# Altium PCB segment1.PcbDoc
Units mm, origin at the board's own origin, x right, y up, seen from the top; angles counter-clockwise.
Board outline 152.4 x 101.6 mm, 2 copper layers (Top Layer, Bottom Layer); 77 components, 74 nets, 176 pads, 0 vias.
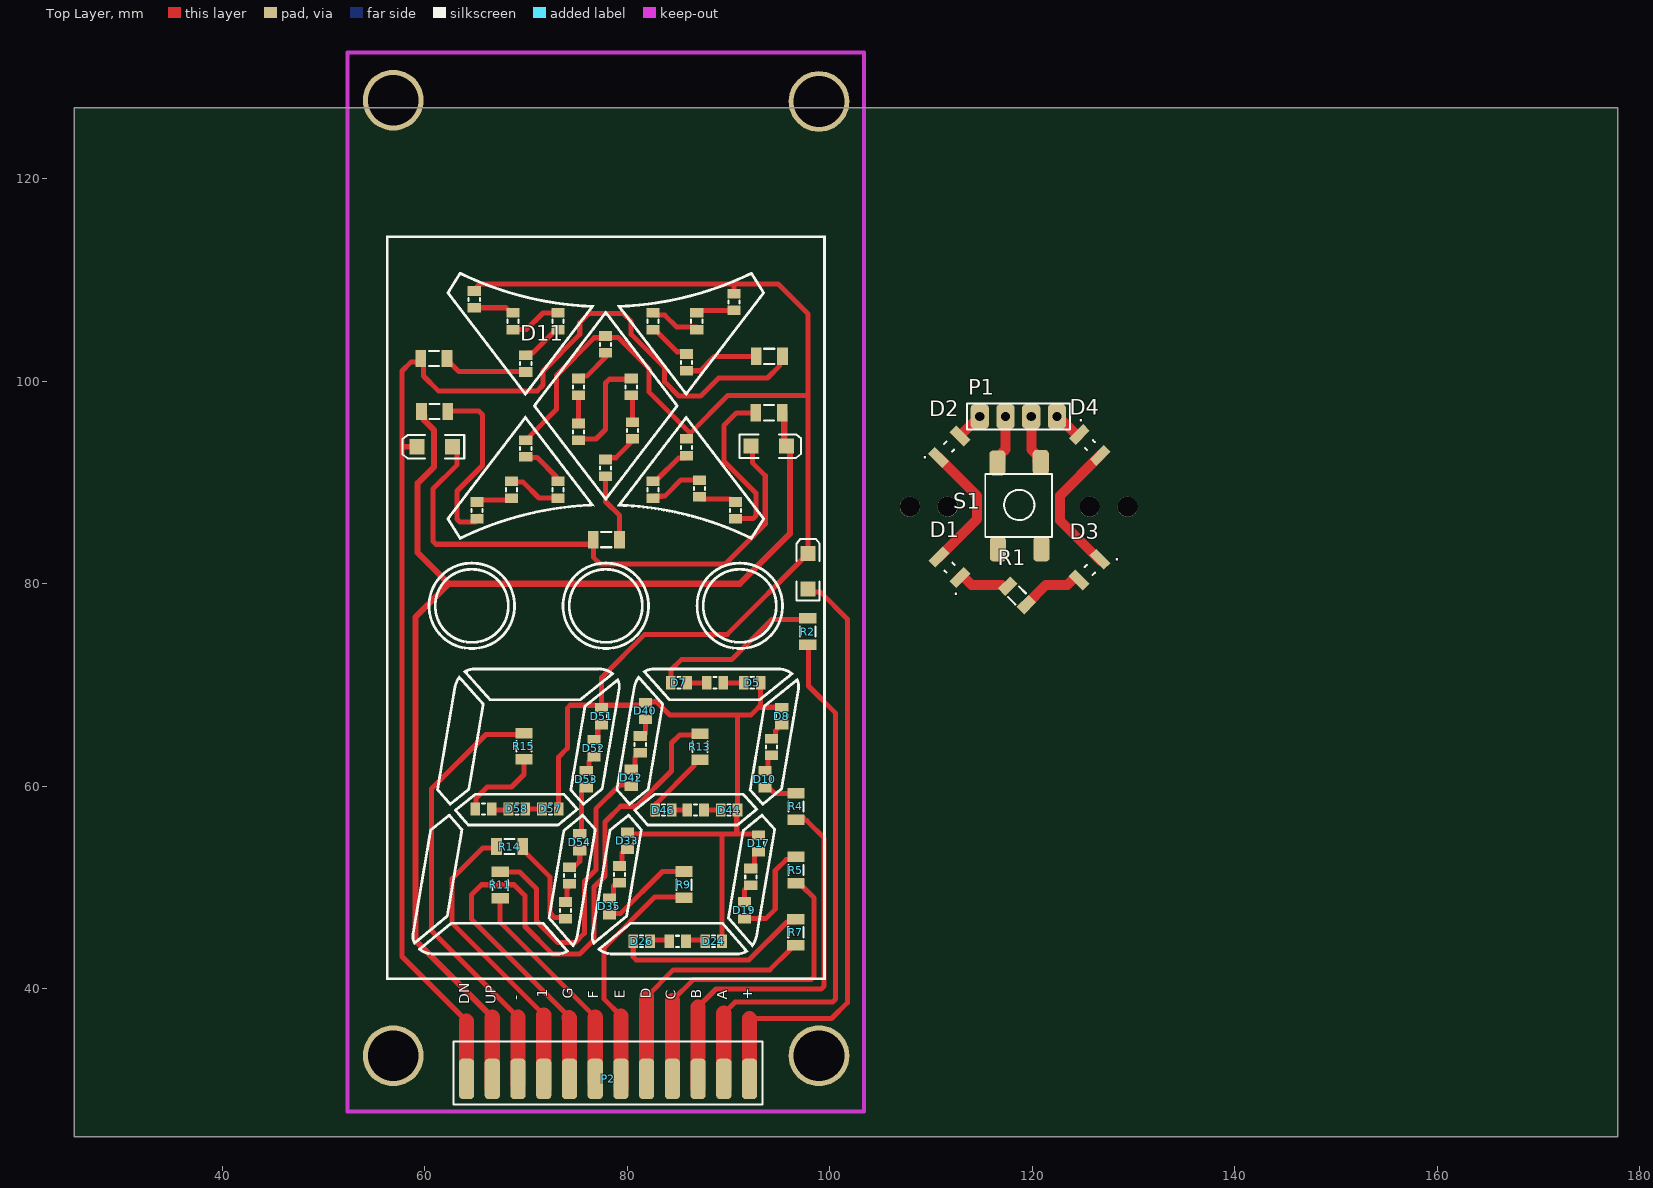
[diagram p0: Top Layer view]
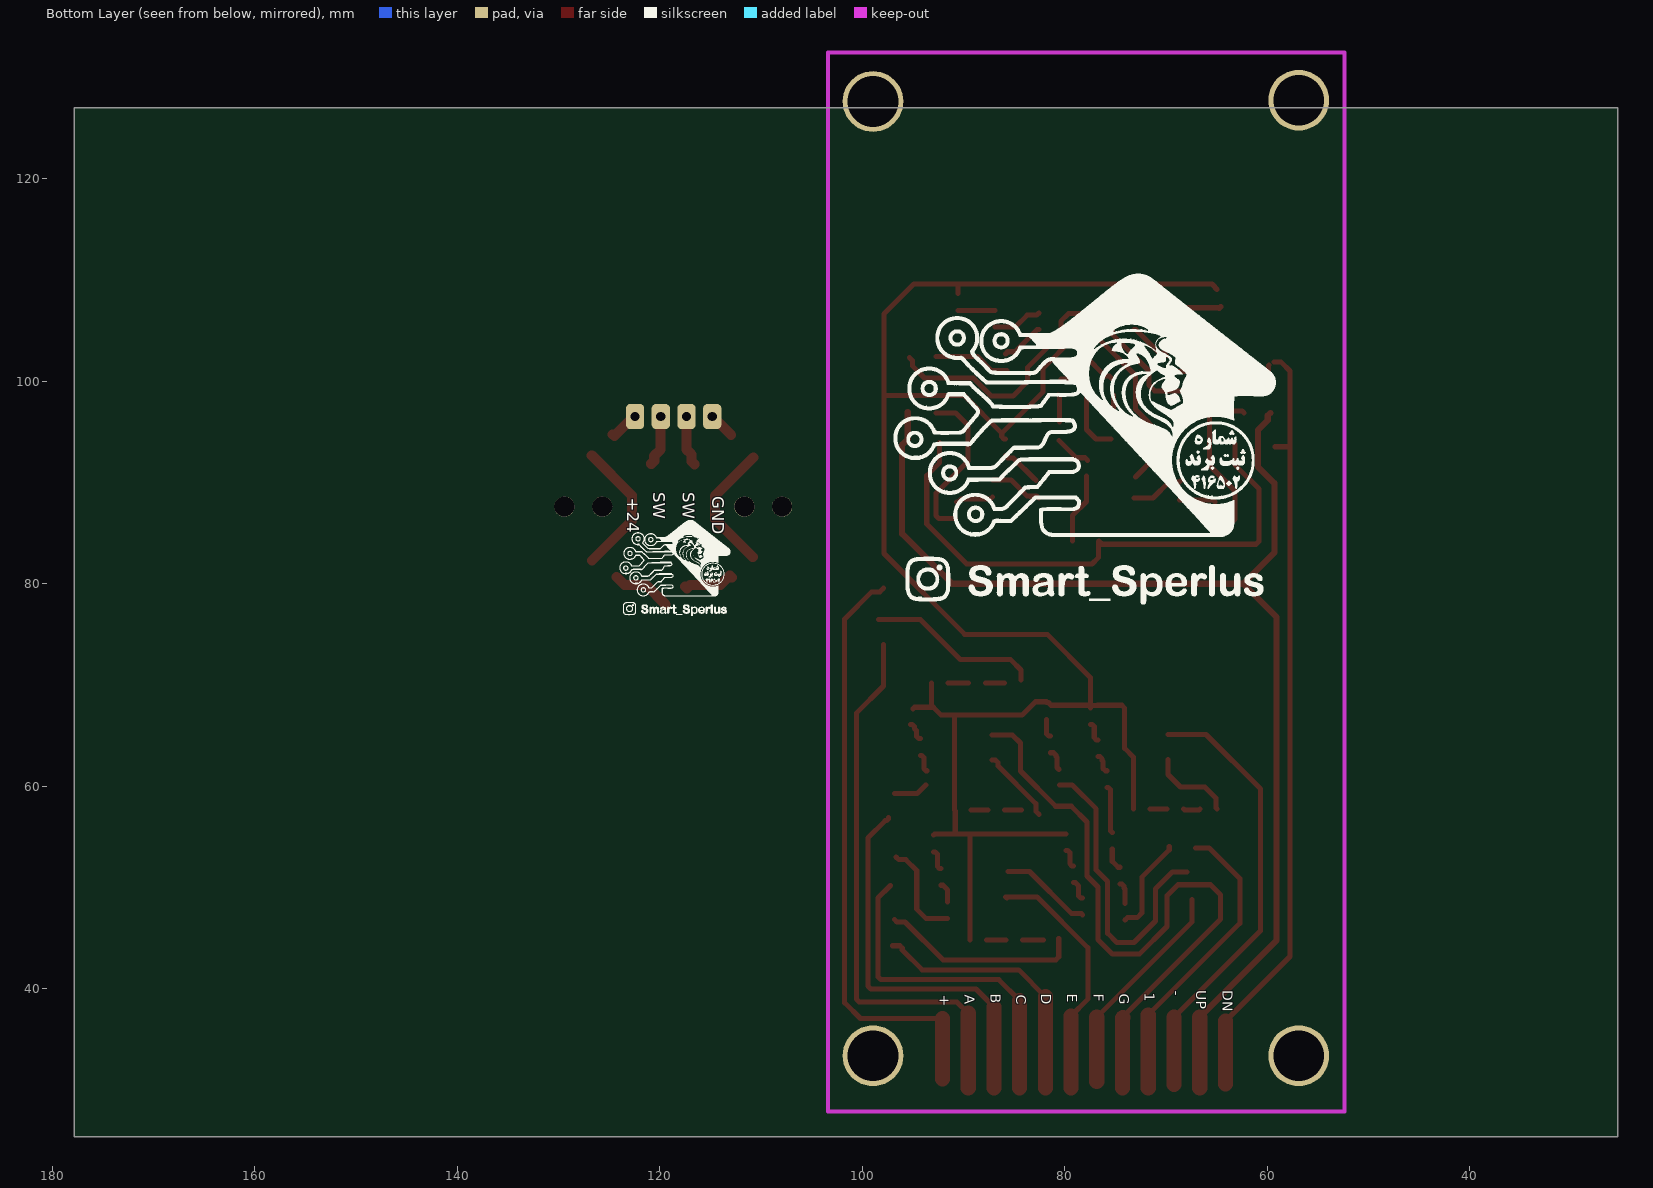
[diagram p1: Bottom Layer view, seen from below]
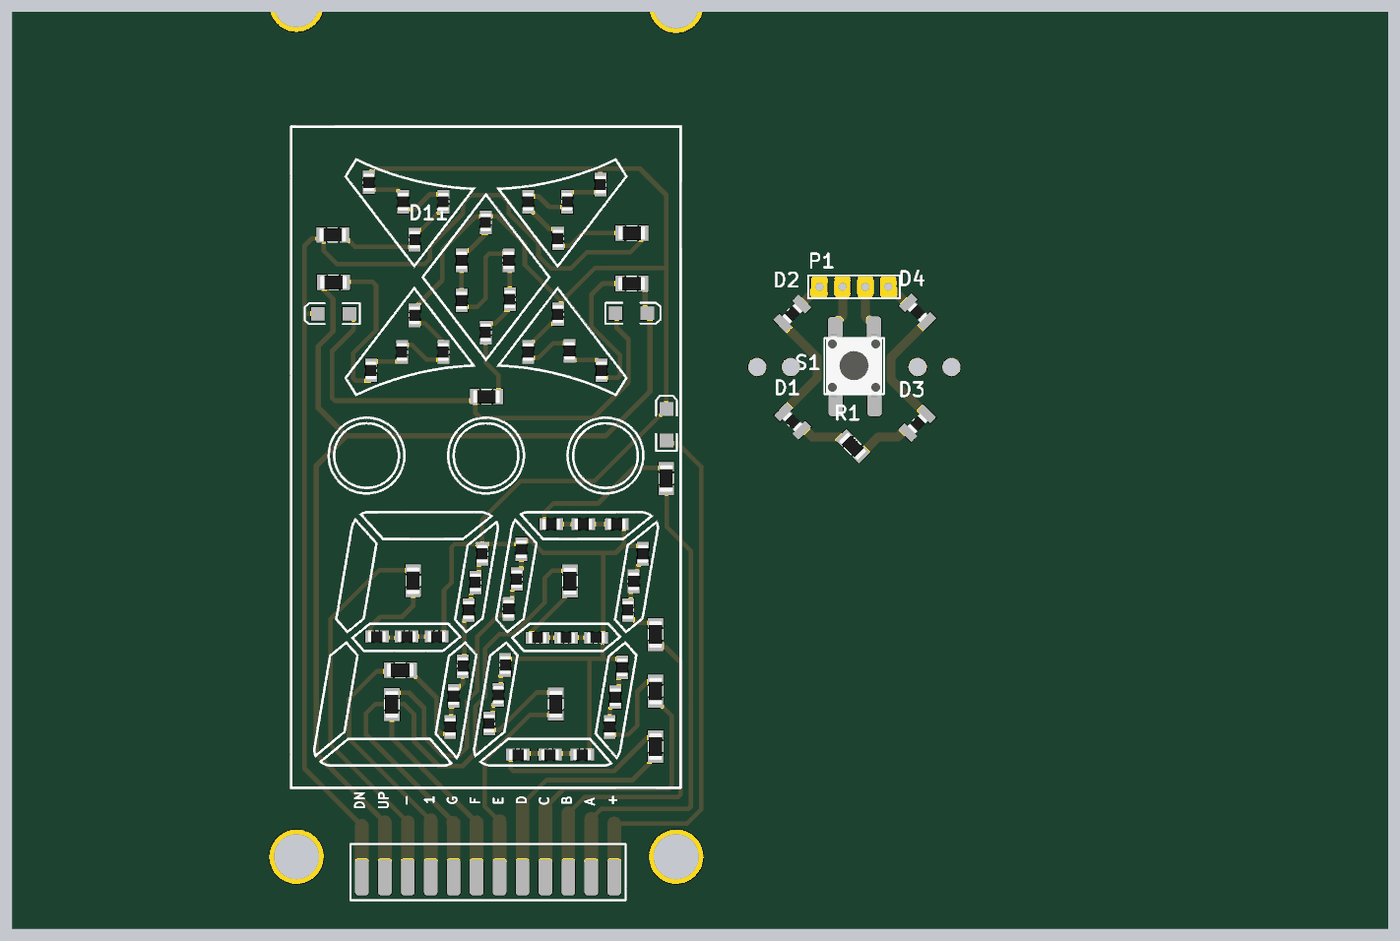
[diagram p2: 3D render of the assembled board from above, using the file's embedded part models]

## Layer stack, top to bottom
Top Solder: solder mask 0.0102, Solder Resist, Dk 3.5
Top Layer: signal copper 0.0356
Dielectric 1: dielectric 0.32, FR-4, Dk 4.8
Bottom Layer: signal copper 0.0356
Bottom Solder: solder mask 0.0102, Solder Resist, Dk 3.5

## Board outline
25.4,25.4 177.8,25.4 177.8,127 25.4,127

## Design rules (kind name [scope] priority, off if disabled: settings)
Clearance Clearance_1 [All] p1: gap=0.4 ignorepadtopadclearanceinfootprint=FALSE
Clearance [All] p2: gap=0.254 ignorepadtopadclearanceinfootprint=FALSE except(0: Arc-Hole Track-Hole SMDPad-Hole THPad-Hole Via-Hole Fill-Hole Poly-Hole Region-Hole Text-Hole)
DiffPairsRouting [All] p1: maxlimit=0.8 minlimit=0.381 mostfreqgap=0.8 toplayer_minwidth=0.381 toplayer_maxwidth=0.381 toplayer_prefwidth=0.381 bottomlayer_minwidth=0.381 bottomlayer_maxwidth=0.381 bottomlayer_prefwidth=0.381 maxuncoupledlength=12.7
PolygonConnect [All] p1: connectstyle=Relief reliefconductorwidth=0.254 reliefentries=4 polygonreliefangle="90 Angle" airgapwidth=0.254
RoomDefinition segment1 [InComponentClass('segment1')] p1: confinementstyle=ConfineIn formatcopy=TRUE lockcomponents=FALSE outline 178.943,26.924 211.328,26.924 211.328,32.766 178.943,32.766
RoutingVias [All] p1: holewidth=0.711 width=1.27 viastyle="Through Hole" minholewidth=0.711 minwidth=1.27 maxholewidth=0.711 maxwidth=1.27
SolderMaskExpansion [All] p1: expansion=0.102 istentingtop=FALSE
Width [All] p1: maxlimit=3 minlimit=0.5 preferedwidth=1
29 further rules are at their usual default settings.

## Classes and differential pairs
component class segment1: D1 D2 D3 D4 D5 D8 D10 D11 D17 D24 D26 D33 D35 D40 D51 D52 D53 D54 D57 D58 P1 P2 R1 R2 R4 R5 R7 R9 R11 R13 R14 R15 S1

## Components (designator, comment, footprint, x,y, rotation, side; value= is the part's Value field where it differs from the comment)
D1 "MODEL" "RES 0805 (2012X06L)"#1 111.828,81.588 r315 top
D2 "MODEL" "RES 0805 (2012X06L)"#2 111.778,93.538 r225 top
D3 "MODEL" "RES 0805 (2012X06L)"#3 125.678,81.388 r45 top
D4 "MODEL" "RES 0805 (2012X06L)"#4 125.678,93.713 r135 top
D5 "MODEL" "RES 0805 (2012X06L)"#5 92.329,70.231 r180 top
D6 "MODEL" "RES 0805 (2012X06L)"#5 88.646,70.231 r180 top
D7 "MODEL" "RES 0805 (2012X06L)"#5 85.09,70.231 r180 top
D8 "MODEL" "RES 0805 (2012X06L)"#5 95.25,66.929 r270 top
D9 "MODEL" "RES 0805 (2012X06L)"#5 94.234,63.881 r270 top
D10 "MODEL" "RES 0805 (2012X06L)"#5 93.599,60.706 r270 top
D11 "MODEL" "RES 0805 (2012X06L)"#5 69.977,101.727 r270 top
D12 "MODEL" "RES 0805 (2012X06L)"#5 73.152,105.918 r270 top
D13 "MODEL" "RES 0805 (2012X06L)"#5 68.707,105.918 r270 top
D14 "MODEL" "RES 0805 (2012X06L)"#5 64.897,108.077 r270 top
D15 "D Tunnel1" 3.2X1.6X1.1 97.854,81.24 r90 top
D16 "D Tunnel1" 3.2X1.6X1.1 61.004,93.54 r180 top
D17 "MODEL" "RES 0805 (2012X06L)"#5 92.964,54.356 r270 top
D18 "MODEL" "RES 0805 (2012X06L)"#5 92.202,51.054 r270 top
D19 "MODEL" "RES 0805 (2012X06L)"#5 91.567,47.752 r270 top
D20 "MODEL" "RES 0805 (2012X06L)"#5 85.852,101.854 r270 top
D21 "MODEL" "RES 0805 (2012X06L)"#5 82.55,105.918 r270 top
D22 "MODEL" "RES 0805 (2012X06L)"#5 86.868,105.918 r270 top
D23 "MODEL" "RES 0805 (2012X06L)"#5 90.551,107.823 r270 top
D24 "MODEL" "RES 0805 (2012X06L)"#5 88.519,44.704 r180 top
D25 "MODEL" "RES 0805 (2012X06L)"#5 84.963,44.704 r180 top
D26 "MODEL" "RES 0805 (2012X06L)"#5 81.407,44.704 r180 top
D27 "MODEL" "RES 0805 (2012X06L)"#5 77.851,91.44 r270 top
D28 "MODEL" "RES 0805 (2012X06L)"#5 80.518,95.123 r270 top
D29 "MODEL" "RES 0805 (2012X06L)"#5 80.391,99.441 r270 top
D30 "MODEL" "RES 0805 (2012X06L)"#5 75.184,94.996 r270 top
D31 "MODEL" "RES 0805 (2012X06L)"#5 75.184,99.441 r270 top
D32 "MODEL" "RES 0805 (2012X06L)"#5 77.851,103.632 r270 top
D33 "MODEL" "RES 0805 (2012X06L)"#5 80.01,54.61 r270 top
D34 "MODEL" "RES 0805 (2012X06L)"#5 79.248,51.308 r270 top
D35 "MODEL" "RES 0805 (2012X06L)"#5 78.232,48.133 r270 top
D36 "MODEL" "RES 0805 (2012X06L)"#5 65.151,87.249 r270 top
D37 "MODEL" "RES 0805 (2012X06L)"#5 68.58,89.281 r270 top
D38 "MODEL" "RES 0805 (2012X06L)"#5 73.152,89.281 r270 top
D39 "MODEL" "RES 0805 (2012X06L)"#5 69.977,93.345 r270 top
D40 "MODEL" "RES 0805 (2012X06L)"#5 81.788,67.437 r270 top
D41 "MODEL" "RES 0805 (2012X06L)"#5 81.28,64.135 r270 top
D42 "MODEL" "RES 0805 (2012X06L)"#5 80.391,60.833 r270 top
D43 "D Tunnel1" 3.2X1.6X1.1 93.98,93.599 r0 top
D44 "MODEL" "RES 0805 (2012X06L)"#5 90.043,57.658 r180 top
D45 "MODEL" "RES 0805 (2012X06L)"#5 86.741,57.658 r180 top
D46 "MODEL" "RES 0805 (2012X06L)"#5 83.566,57.658 r180 top
D47 "MODEL" "RES 0805 (2012X06L)"#5 90.678,87.249 r270 top
D48 "MODEL" "RES 0805 (2012X06L)"#5 87.122,89.408 r270 top
D49 "MODEL" "RES 0805 (2012X06L)"#5 82.55,89.281 r270 top
D50 "MODEL" "RES 0805 (2012X06L)"#5 85.852,93.472 r270 top
D51 "MODEL" "RES 0805 (2012X06L)"#5 77.47,66.929 r270 top
D52 "MODEL" "RES 0805 (2012X06L)"#5 76.708,63.754 r270 top
D53 "MODEL" "RES 0805 (2012X06L)"#5 75.946,60.706 r270 top
D54 "MODEL" "RES 0805 (2012X06L)"#5 75.311,54.483 r270 top
D55 "MODEL" "RES 0805 (2012X06L)"#5 74.295,51.181 r270 top
D56 "MODEL" "RES 0805 (2012X06L)"#5 73.914,47.752 r270 top
D57 "MODEL" "RES 0805 (2012X06L)"#5 72.39,57.785 r180 top
D58 "MODEL" "RES 0805 (2012X06L)"#5 69.088,57.785 r180 top
D59 "MODEL" "RES 0805 (2012X06L)"#5 65.786,57.785 r180 top
P1 "Header 4" HDR1X4 114.808,96.52 r0 top
P2 "Header 12" HDR1X12 92.075,31.115 r180 top
R1 "10K" "RES 1206 (3216X08L)" 118.491,78.867 r135 top
R2 "10K" "RES 1206 (3216X08L)" 97.829,75.29 r90 top
R3 "10K" "RES 1206 (3216X08L)" 60.904,102.265 r0 top
R4 "10K" "RES 1206 (3216X08L)" 96.654,58.015 r90 top
R5 "10K" "RES 1206 (3216X08L)" 96.654,51.74 r90 top
R6 "10K" "RES 1206 (3216X08L)" 94.029,102.465 r180 top
R7 "10K" "RES 1206 (3216X08L)" 96.647,45.593 r90 top
R8 "10K" "RES 1206 (3216X08L)" 77.929,84.365 r0 top
R9 "10K" "RES 1206 (3216X08L)" 85.598,50.292 r90 top
R10 "10K" "RES 1206 (3216X08L)" 60.979,97.015 r0 top
R11 "10K" "RES 1206 (3216X08L)" 67.454,50.264 r90 top
R12 "10K" "RES 1206 (3216X08L)" 94.004,96.89 r180 top
R13 "10K" "RES 1206 (3216X08L)" 87.179,63.915 r270 top
R14 "10K" "RES 1206 (3216X08L)" 68.379,54.065 r0 top
R15 "10K" "RES 1206 (3216X08L)" 69.804,63.965 r270 top
S1 "PUSH BUTTON DOUBLE" "PUSH BUTTON" 118.653,87.763 r90 top

## Footprints (in the part's own frame and the unit in brackets; to place one, negate y for a bottom-side part, rotate by r counter-clockwise, add the part's x,y. Pads: shape width x height; smd on the part's side, far side on the other; paste and mask are expansions set on the pad)
3.2X1.6X1.1 [mm] "SMT LED; 2 Flat Leads"
  rect 1.5x1.5 smd: 1(-1.75,0) 2(1.75,0)
  silkscreen extent -2.9,-1.15 3.2,1.15
HDR1X4 [mm] "Connector; Header; 4 Position"
  rrect50% 1.8x2.5 hole 0.9: 1(0,0) 2(2.54,0) 3(5.08,0) 4(7.62,0)
  silkscreen extent -1.27,-1.27 8.89,1.27
HDR1X12 [mm] "Connector; Header; 12 Position"
  rrect50% 1.5x4 smd: 1(0,0) 2(2.54,0) 3(5.08,0) 4(7.62,0) 5(10.16,0) 6(12.7,0) 7(15.24,0) 8(17.78,0) 9(20.32,0) 10(22.86,0) 11(25.4,0) 12(27.94,0)
  silkscreen extent -1.27,-3.68 29.21,2.54
"PUSH BUTTON" [mm]
  rrect50% 2.5x1.6 smd: 1(-4.325,2.05) 2(4.175,2.1) 3(-4.325,-2.25) 4(4.225,-2.175)
  silkscreen extent -3.13,-3.3 3.08,3.3, body extent -3.93,-3.08 3.99,3.12, height 5.21
"RES 0805 (2012X06L)"#1 [mm] "Chip Resistor, 2-Leads, Body 2.0x1.3mm, IPC High Density _ (0.100 W)"
  rect 0.95x2 smd: 1(-1.475,0.025) 2(1.4,0.05)
  silkscreen extent -0.16,-0.55 0.14,0.55, body extent -1.03,-0.63 1,0.64, height 0.6
"RES 0805 (2012X06L)"#2 [mm] "Chip Resistor, 2-Leads, Body 2.0x1.3mm, IPC High Density _ (0.100 W)"
  rect 0.95x2 smd: 1(-1.5,0) 2(1.475,0)
  silkscreen extent -0.16,-0.55 0.14,0.55, body extent -1.03,-0.63 1,0.64, height 0.6
"RES 0805 (2012X06L)"#3 [mm] "Chip Resistor, 2-Leads, Body 2.0x1.3mm, IPC High Density _ (0.100 W)"
  rect 0.95x2 smd: 1(-1.475,0.05) 2(1.45,0.025)
  silkscreen extent -0.16,-0.55 0.14,0.55, body extent -1.03,-0.63 1,0.64, height 0.6
"RES 0805 (2012X06L)"#4 [mm] "Chip Resistor, 2-Leads, Body 2.0x1.3mm, IPC High Density _ (0.100 W)"
  rect 0.95x2 smd: 1(-1.45,0) 2(1.475,0)
  silkscreen extent -0.16,-0.55 0.14,0.55, body extent -1.03,-0.63 1,0.64, height 0.6
"RES 0805 (2012X06L)"#5 [mm] "Chip Resistor, 2-Leads, Body 2.0x1.3mm, IPC High Density _ (0.100 W)"
  rect 0.95x1.3 smd: 1(-0.838,0) 2(0.812,0)
  silkscreen extent -0.16,-0.55 0.14,0.55, body extent -1.03,-0.63 1,0.64, height 0.6
"RES 1206 (3216X08L)" [mm] "Chip Resistor, 2-Leads, Body 3.2x1.6mm, IPC High Density _ (0.125 W)"
  rect 1.05x1.7 smd: 1(-1.295,0) 2(1.301,0)
  silkscreen extent -0.5,-0.75 0.5,0.75, body extent -1.52,-0.76 1.53,0.76, height 0.6

## Part data
D1 D2 D3 D4 D5 D6 D7 D8 D9 D10 D11 D12 D13 D14 D17 D18 D19 D20 D21 D22 D23 D24 D25 D26 D27 D28 D29 D30 D31 D32 D33 D34 D35 D36 D37 D38 D39 D40 D41 D42 D44 D45 D46 D47 D48 D49 D50 D51 D52 D53 D54 D55 D56 D57 D58 D59: library part "LED 5mm", "Typical LED", COLOR=RED
D15 D16 D43: "Tunnel Diode - RLC Model", LatestRevisionDate=17-Jul-2002, LatestRevisionNote="Re-released for DXP Platform.", PackageDescription="SM LED; 2 Flat Leads", PackageReference=3.2X1.6X1.1, PackageVersion=Feb-2002, Published=8-Jun-2000, Publisher="Altium Limited"
P1: "Header, 4-Pin", LatestRevisionDate=17-Jul-2002, LatestRevisionNote="Re-released for DXP Platform.", Publisher="Altium Limited"
P2: "Header, 12-Pin", LatestRevisionDate=17-Jul-2002, LatestRevisionNote="Re-released for DXP Platform.", Publisher="Altium Limited"
R1 R2 R3 R4 R5 R6 R7 R8 R9 R10 R11 R12 R13 R14 R15: library part Resistor, "Resistor", Power="1/4 W", Tolerance=5%
S1: "Switch"

## Free pads (board coordinates)
  round 6 hole 5: 1(56.896,127.762) 2(98.933,127.635) 3(98.933,33.401) 4(56.896,33.401)
  round 2 hole 2: 5(111.633,87.63) 6(107.913,87.63) 7(125.674,87.63) 8(129.413,87.63)

## Nets (pads, with @x,y where several pads share a name; then routed paths per layer and width w, separated by ;. In a path a pad name is that pad's centre, name@x,y a point inside that pad or via, vN(x,y) a via of type N, cw(c..) or ccw(c..) an arc to the next point about the centre after c; other vN are vias at no path point)
1: P2.9 R14.1 | length 30
  Top Layer w0.5: R14.1@67.084,53.938 65.754,53.938 62.712,50.896 62.712,46.482 71.755,37.439
  Top Layer w1.5: P2.9@71.755,30.226 71.755,37.439
+: D15.1 P2.1 | length 59.3
  Top Layer w0.5: 92.075,37.084 100.176,37.084 101.727,38.635 101.727,76.54 99.06,79.207 98.26,79.207 D15.1@97.879,79.588
  Top Layer w1.5: P2.1 92.075,37.084
-: P2.10 R15.1 | length 44.1
  Top Layer w0.5: 69.215,37.211 60.679,45.747 60.679,59.763 66.05,65.133 R15.1@69.804,65.133
  Top Layer w1.5: P2.10@69.215,30.569 69.215,37.211
A: P2.2 R2.1 | length 55.1
  Top Layer w0.5: 89.535,37.592 90.662,38.719 100.291,38.719 100.584,39.012 100.584,67.233 97.904,69.913 R2.1@97.904,73.994
  Top Layer w1.5: P2.2@89.535,30.226 89.535,37.592
B: P2.3 R4.1 | length 38.8
  Top Layer w0.5: 86.995,38.227 88.756,39.988 99.148,39.988 99.441,40.28 99.441,54.901 97.725,56.617 97.604,56.617 97.421,56.8 R4.1@97.421,56.921
  Top Layer w1.5: P2.3@86.995,30.226 86.995,38.227
C: P2.4 R5.1 | length 33.1
  Top Layer w0.5: 84.455,38.862 86.506,40.913 98.136,40.913 98.429,41.205 98.429,48.999 97.26,50.169 97.254,50.169 97.216,50.207 R5.1@97.216,50.213
  Top Layer w1.5: P2.4@84.455,30.226 84.455,38.862
D: P2.5 R7.1 | length 26.3
  Top Layer w0.5: 81.915,39.243 84.556,41.884 94.081,41.884 96.047,43.85 96.047,44.023 96.287,44.263 R7.1@96.999,44.263
  Top Layer w1.5: P2.5@81.915,30.226 81.915,39.243
DN: D16.2 P2.12 R3.1 R6.1 | length 125.1
  Top Layer w0.5: D16.2 57.754,93.54 ; R3.1@59.356,101.885 58.627,101.885 57.754,101.013 57.754,93.54 ; R3.1@59.812,101.61 59.884,101.538 59.884,100.517 61.341,99.06 71.12,99.06 71.689,99.629 71.689,101.026 75.311,104.648 75.311,105.791 76.2,106.68 79.629,106.68 80.391,105.918 80.391,104.648 83.693,101.346 83.693,99.949 85.09,98.552 87.249,98.552 89.027,100.33 93.853,100.33 95.05,101.527 95.05,102.063 R6.1@95.325,102.338 ; 64.135,36.83 57.754,43.211 57.754,93.54
  Top Layer w1.5: P2.12@64.135,30.607 P2.12 64.135,36.83
E: P2.6 R9.1 | length 24.9
  Top Layer w0.5: 79.375,37.338 77.724,38.989 77.724,44.069 82.75,49.095 85.832,49.095 R9.1@85.704,48.967
  Top Layer w1.5: P2.6@79.375,30.226 79.375,37.338
F: P2.7 R11.1 | length 21.9
  Top Layer w0.5: R11.1@67.454,48.842 67.454,46.592 76.835,37.211
  Top Layer w1.5: P2.7@76.835,30.861 76.835,37.211
G: P2.8 R13.1 | length 67.4
  Top Layer w0.5: 74.258,37.174 74.258,37.248 64.604,46.902 64.604,49.288 65.609,50.292 68.825,50.292 69.904,49.213 69.904,46.174 72.644,43.434 75.277,43.434 76.708,44.865 76.708,50.066 77.8,51.159 77.8,56.484 79.356,58.039 80.899,58.039 84.379,61.519 84.379,64.288 85.175,65.083 R13.1@87.179,65.083
  Top Layer w1.5: 74.258,37.174 74.295,37.136 P2.8@74.295,30.226
NetD1_1: D1.1 D2.2 | length 13
  Top Layer w1: D2.2 114.553,88.677 114.553,86.399 D1.1
NetD1_2: D1.2 R1.2 | length 5.3
  Top Layer w1: D1.2 112.889,80.633 113.073,80.817 114.007,79.883 116.98,79.883 117.306,79.557 R1.2@117.498,79.748
NetD2_1: D2.1 P1.1 | length 3
  Top Layer w1: D2.1@112.943,94.702 114.423,96.183 114.423,96.511 P1.1@114.823,96.911
NetD3_1: D3.1 R1.1 | length 6
  Top Layer w1: R1.1 121.339,79.883 123.446,79.883 D3.1@124.254,80.691
NetD3_2: D3.2 D4.1 | length 13.7
  Top Layer w1: D3.2@126.686,82.304 122.728,86.261 122.728,88.712 D4.1
NetD4_2: D4.2 P1.4 | length 3.4
  Top Layer w1: P1.4@122.443,96.911 122.843,96.511 122.843,96.232 124.46,94.615 124.6,94.756 D4.2
NetD5_2: D5.2 D6.1 | length 2
  Top Layer w0.5: D6.1 D5.2
NetD6_2: D6.2 D7.1 | length 1.9
  Top Layer w0.5: D7.1 D6.2
NetD7_2: D7.2 R2.2 | length 17.1
  Top Layer w0.5: D7.2@84.328,70.485 84.328,71.501 85.344,72.517 90.297,72.517 94.243,76.463 R2.2@98.375,76.463
NetD8_2: D8.2 D9.1 | length 2
  Top Layer w0.5: D9.1 94.409,64.719 94.634,64.944 94.634,65.501 94.85,65.717 94.85,65.892 95.075,66.117 D8.2
NetD9_2: D9.2 D10.1 | length 1.9
  Top Layer w0.5: D10.1 93.691,61.544 93.916,61.769 93.916,62.844 94.142,63.069 D9.2
NetD10_2: D10.2 R4.2 | length 3.4
  Top Layer w0.5: D10.2@93.726,60.148 93.951,59.923 94.587,59.288 R4.2@96.804,59.288
NetD11_1: D11.1 D12.2 | length 4.2
  Top Layer w0.5: D11.1 70.202,102.79 70.661,102.79 72.977,105.106 D12.2
NetD11_2: D11.2 R3.2 | length 8.2
  Top Layer w0.5: R3.2@62.205,102.126 63.366,100.965 D11.2@69.887,100.965
NetD12_1: D12.1 D13.2 | length 5.1
  Top Layer w0.5: D13.2 70.027,105.106 71.677,106.756 D12.1
NetD13_1: D13.1 D14.2 | length 4.2
  Top Layer w0.5: D14.2@64.597,107.363 D14.2@64.747,107.213 ; D14.2 68.023,107.265 68.532,106.756 D13.1
NetD16_1: D16.1 D43.1 R8.1 | length 55.9
  Top Layer w0.5: D16.1@63.204,93.788 63.204,91.763 60.829,89.388 60.829,84.205 61.122,83.913 76.359,83.913 R8.1@76.496,84.05 ; R8.1@76.329,83.933 76.634,84.238 76.679,84.192 76.679,82.588 77.304,81.963 89.679,81.963 93.629,85.913 93.629,90.688 92.354,91.963 D43.1@92.354,93.938
NetD17_2: D17.2 D18.1 | length 2.2
  Top Layer w0.5: D18.1 92.358,51.892 92.583,52.117 92.583,53.319 92.808,53.544 D17.2
NetD18_2: D18.2 D19.1 | length 2
  Top Layer w0.5: D19.1 91.567,49.782 92.027,50.242 D18.2
NetD19_2: D19.2 R5.2 | length 9.8
  Top Layer w0.5: D19.2 93.676,46.94 94.615,47.879 94.615,51.689 95.691,52.765 96.379,52.765 R5.2
NetD20_1: D20.1 D21.2 | length 4.3
  Top Layer w0.5: D21.2 82.725,105.106 84.914,102.917 85.627,102.917 D20.1
NetD20_2: D20.2 R6.2 | length 7.6
  Top Layer w0.5: D20.2@85.725,101.042 87.199,101.042 88.622,102.465 R6.2
NetD21_1: D21.1 D22.2 | length 4.9
  Top Layer w0.5: D21.1 82.775,106.531 83.715,106.531 84.886,105.36 D22.2@86.868,105.36
NetD22_1: D22.1 D23.2 | length 3.7
  Top Layer w0.5: D22.1@86.869,107.011 D23.2
NetD24_2: D24.2 D25.1 | length 1.9
  Top Layer w0.5: D25.1@85.801,44.831 D24.2@87.707,44.831
NetD25_2: D25.2 D26.1 | length 2
  Top Layer w0.5: D26.1@82.118,44.831 D25.2@84.151,44.831
NetD26_2: D26.2 R7.2 | length 19.8
  Top Layer w0.5: D26.2@80.595,44.958 80.595,43.169 80.888,42.876 92.025,42.876 95.768,46.619 96.58,46.619 R7.2@96.799,46.838
NetD27_1: D27.1 D28.2 | length 3.7
  Top Layer w0.5: D27.1@77.741,92.202 77.991,92.452 78.863,92.452 D28.2@80.581,94.17
NetD27_2: D27.2 R8.2 | length 7
  Top Layer w0.5: D27.2 77.851,88.141 79.23,86.762 R8.2 R8.2@79.23,84.238
NetD28_1: D28.1 D29.2 | length 2.7
  Top Layer w0.5: D28.1 80.518,98.502 D29.2@80.645,98.629
NetD29_1: D29.1 D30.2 | length 10
  Top Layer w0.5: D30.2@75.438,94.311 76.912,94.311 77.851,95.25 77.851,99.822 78.232,100.203 D29.1@80.355,100.203
NetD30_1: D30.1 D31.2 | length 2.7
  Top Layer w0.5: D30.1@75.184,95.961 D31.2
NetD31_1: D31.1 D32.2 | length 3.5
  Top Layer w0.5: D31.1@75.383,100.303 75.584,100.504 75.99,100.504 D32.2@77.975,102.489
NetD33_2: D33.2 D34.1 | length 2
  Top Layer w0.5: D34.1@79.121,52.146 79.277,52.146 79.502,52.371 79.502,53.446 79.727,53.671 D33.2@79.883,53.671
NetD34_2: D34.2 D35.1 | length 2.1
  Top Layer w0.5: D35.1 78.407,48.971 78.632,49.196 78.632,50.182 78.946,50.496 D34.2@79.121,50.496
NetD35_2: D35.2 R9.2 | length 9.1
  Top Layer w0.5: D35.2 78.342,47.431 79.308,47.431 83.47,51.593 R9.2
NetD36_1: D36.1 D37.2 | length 3.6
  Top Layer w0.5: D36.1 65.329,88.265 D37.2@68.642,88.265
NetD36_2: D36.2 R10.2 | length 17.5
  Top Layer w0.5: R10.2@62.28,96.888 62.48,97.088 65.304,97.088 65.704,96.688 65.704,91.688 63.179,89.163 63.179,86.399 63.472,86.106 65.011,86.106 D36.2@65.304,86.399 ; D36.2@65.431,86.526 D36.2@65.431,86.68
NetD37_1: D37.1 D38.2 | length 5.3
  Top Layer w0.5: D37.1@68.575,90.17 68.666,90.079 69.687,90.079 71.297,88.469 D38.2
NetD38_1: D38.1 D39.2 | length 3.9
  Top Layer w0.5: D39.2 70.018,92.492 71.084,92.492 D38.1@73.025,90.551
NetD40_2: D40.2 D41.1 | length 1.9
  Top Layer w0.5: D41.1@81.407,64.973 81.563,64.973 81.788,65.198 D40.2
NetD41_2: D41.2 D42.1 | length 2.2
  Top Layer w0.5: D42.1@80.566,61.671 80.772,61.877 80.772,62.863 80.88,62.971 80.88,63.098 81.105,63.323 D41.2@81.407,63.323
NetD42_2: D42.2 R11.2 | length 30.3
  Top Layer w0.5: R11.2@67.931,51.562 69.355,51.562 71.029,49.888 71.029,46.7 73.152,44.577 74.854,44.577 75.765,45.488 75.765,50.619 76.9,51.754 76.9,57.784 79.265,60.148 D42.2@80.518,60.148
NetD44_2: D44.2 D45.1 | length 1.7
  Top Layer w0.5: D45.1 D44.2
NetD45_2: D45.2 D46.1 | length 1.7
  Top Layer w0.5: D46.1@84.277,57.658 D45.2
NetD46_2: D46.2 R13.2 | length 7.3
  Top Layer w0.5: D46.2@82.55,57.245 D46.2@82.852,57.547 ; D46.2@82.852,57.674 82.852,58.287 86.579,62.014 86.579,62.339 86.854,62.614 R13.2
NetD47_1: D47.1 D48.2 | length 3.8
  Top Layer w0.5: D48.2 87.326,88.392 90.198,88.392 90.503,88.087 D47.1
NetD47_2: D47.2 R12.2 | length 15.9
  Top Layer w0.5: D47.2@90.805,86.437 92.417,86.437 92.71,86.73 92.71,88.957 89.535,92.132 89.535,95.631 90.794,96.89 R12.2
NetD48_1: D48.1 D49.2 | length 5.9
  Top Layer w0.5: D49.2 82.775,88.694 83.741,88.694 85.293,90.246 D48.1 ; D49.2@82.804,88.646 83.417,88.638
NetD49_1: D49.1 D50.2 | length 4
  Top Layer w0.5: D49.1@82.822,90.216 82.95,90.344 82.996,90.344 85.087,92.435 85.627,92.435 D50.2
NetD51_2: D51.2 D52.1 | length 2
  Top Layer w0.5: D52.1 76.864,64.592 77.089,64.817 77.089,65.892 77.314,66.117 D51.2
NetD52_2: D52.2 D53.1 | length 2
  Top Layer w0.5: D53.1@75.819,61.544 75.994,61.544 76.219,61.769 76.219,62.453 76.308,62.542 76.308,62.717 76.533,62.942 D52.2
NetD53_2: D53.2 D54.1 | length 4.7
  Top Layer w0.5: D54.1@75.311,55.448 75.486,55.623 75.486,59.669 75.711,59.894 D53.2@75.819,59.894
NetD54_2: D54.2 D55.1 | length 2.2
  Top Layer w0.5: D55.1@74.549,52.019 74.724,52.019 75.311,52.606 D54.2@75.311,53.798
NetD55_2: D55.2 D56.1 | length 2.2
  Top Layer w0.5: D56.1@74.041,48.463 74.041,49.861 74.149,49.969 74.149,50.144 74.374,50.369 D55.2@74.549,50.369
NetD56_2: D56.2 R14.2 | length 9.6
  Top Layer w0.5: R14.2 69.68,53.74 72.39,51.029 72.39,47.498 72.85,47.038 73.816,47.038 D56.2@74.041,46.813
NetD57_2: D57.2 D58.1 | length 1.7
  Top Layer w0.5: D58.1 D57.2
NetD58_2: D58.2 D59.1 | length 1.8
  Top Layer w0.5: D59.1 66.751,57.658 68.149,57.658 D58.2
NetD59_2: D59.2 R15.2 | length 8.3
  Top Layer w0.5: D59.2 65.084,57.895 65.084,58.861 66.167,59.944 68.58,59.944 69.804,61.168 R15.2
NetP1_2: P1.2 S1.2 | length 5.4
  Top Layer w1: S1.2@116.553,91.811 116.853,92.111 116.853,92.786 117.363,93.296 P1.2@117.363,96.911
NetP1_3: P1.3 S1.4 | length 5.4
  Top Layer w1: P1.3@119.903,96.911 119.903,93.261 120.528,92.636 120.528,92.161 S1.4@120.828,91.861
UP: D43.2 P2.11 R10.1 R12.1 | length 121.6
  Top Layer w0.6: R10.1@59.684,96.888 59.959,96.613 59.959,96.158 60.929,95.188 60.929,91.563 59.304,89.938 59.304,83.088 62.379,80.013 ; 66.675,37.211 59.086,44.8 59.086,76.72 62.379,80.013 ; R12.1@95.5,96.963 95.5,94.292 96.054,93.738 96.054,84.938 91.129,80.013 62.379,80.013
  Top Layer w1.5: P2.11@66.675,30.226 66.675,37.211
VCC: D5.1 D8.1 D14.1 D15.2 D17.1 D23.1 D24.1 D32.1 D33.1 D39.1 D40.1 D44.1 D50.1 D51.1 D57.1 | length 199.3
  Top Layer w0.5: D14.1@64.97,109.068 65.17,109.267 65.17,109.32 65.463,109.613 90.551,109.613 ; D39.1 70.152,94.183 70.377,94.408 70.377,94.583 73.025,97.231 73.025,100.584 76.744,104.303 77.938,104.303 77.978,104.343 79.078,104.343 82.169,101.252 82.169,98.933 86.219,94.883 ; D57.1 73.228,62.912 74.079,63.763 74.079,67.718 74.372,68.011 76.777,68.011 76.796,67.992 77.245,67.992 D51.1 ; D51.1@77.47,67.992 D51.1@77.47,68.011 ; D33.1@79.883,55.321 89.357,55.321 ; D40.1 81.613,68.275 81.349,68.011 D51.1@77.47,68.011 ; D40.1@81.788,68.362 82.895,68.362 84.219,67.038 90.881,67.038 ; D50.1 85.994,94.31 86.219,94.535 86.219,94.883 ; D24.1@89.357,44.831 89.357,55.321 ; D23.1 90.551,109.613 ; 90.815,55.372 90.815,57.592 D44.1 90.881,67.038 ; D17.1 92.837,55.321 90.815,55.321 89.357,55.321 ; D5.1 93.167,68.001 92.985,67.818 ; D8.1@94.996,67.64 94.996,67.672 94.85,67.818 93.167,67.818 92.985,67.818 ; D51.1@77.47,68.011 77.47,70.753 81.729,75.013 89.877,75.013 D15.2 97.854,98.588 ; 86.219,94.883 89.923,98.588 97.854,98.588 ; 90.551,109.613 94.904,109.613 97.854,106.663 97.854,98.588 ; 90.881,67.038 92.204,67.038 92.985,67.818
pads on no net: S1.1 S1.3

## Keep-outs
Keep-Out Layer:
  lines w0.4: 93.804,27.913 62.024,27.913 56.254,27.913 52.379,27.913 52.379,132.488 103.379,132.488 103.379,27.913 99.504,27.913 ; 93.804,27.913 99.504,27.913 ; 93.804,27.913 99.504,27.913

## Silkscreen, mask and mechanical layers (free items; w line width, h text height)
Top Overlay:
  drawing of 26 lines, arcs and shapes, not listed
  text "." at 124.46,96.012 h1.52
  text "." at 109.093,92.329 h1.52
  text "." at 128.016,82.296 h1.52
  text "." at 112.141,78.867 h1.52
  text "1" at 72.079,39.113 h1 r90
  text "F" at 77.154,39.038 h1 r90
  text "D" at 82.304,39.038 h1 r90
  text "G" at 74.629,39.013 h1 r90
  text "E" at 79.729,39.013 h1 r90
  text "B" at 87.304,39.013 h1 r90
  text "C" at 84.804,38.938 h1 r90
  text "A" at 89.854,38.938 h1 r90
  text "+" at 92.329,38.938 h1 r90
  text "-" at 69.483,38.888 h1 r90
  text "DN" at 64.379,38.488 h1 r90
  text "UP" at 67.029,38.488 h1 r90
Bottom Overlay:
  drawing of 89 lines, arcs and shapes, not listed
  text "SW" at 117.729,89.027 h1.2 r90
  text "SW" at 120.65,89.027 h1.2 r90
  text "GND" at 114.808,88.646 h1.2 r90
  text "+24" at 123.19,88.519 h1.2 r90
  text "DN" at 64.379,39.866 h1 r90
  text "UP" at 67.029,39.866 h1 r90
  text "-" at 69.443,39.805 h1 r90
  text "1" at 72.079,39.602 h1 r90
  text "F" at 77.154,39.527 h1 r90
  text "D" at 82.304,39.527 h1 r90
  text "G" at 74.629,39.502 h1 r90
  text "E" at 79.729,39.502 h1 r90
  text "B" at 87.304,39.502 h1 r90
  text "C" at 84.804,39.427 h1 r90
  text "A" at 89.854,39.427 h1 r90
  text "+" at 92.329,39.427 h1 r90
Mechanical 13:
  circle w0.254: c118.653,87.636 r12.5